# Allegro board pc065c_fibv2_toplevel_26_waive.brd (continued)
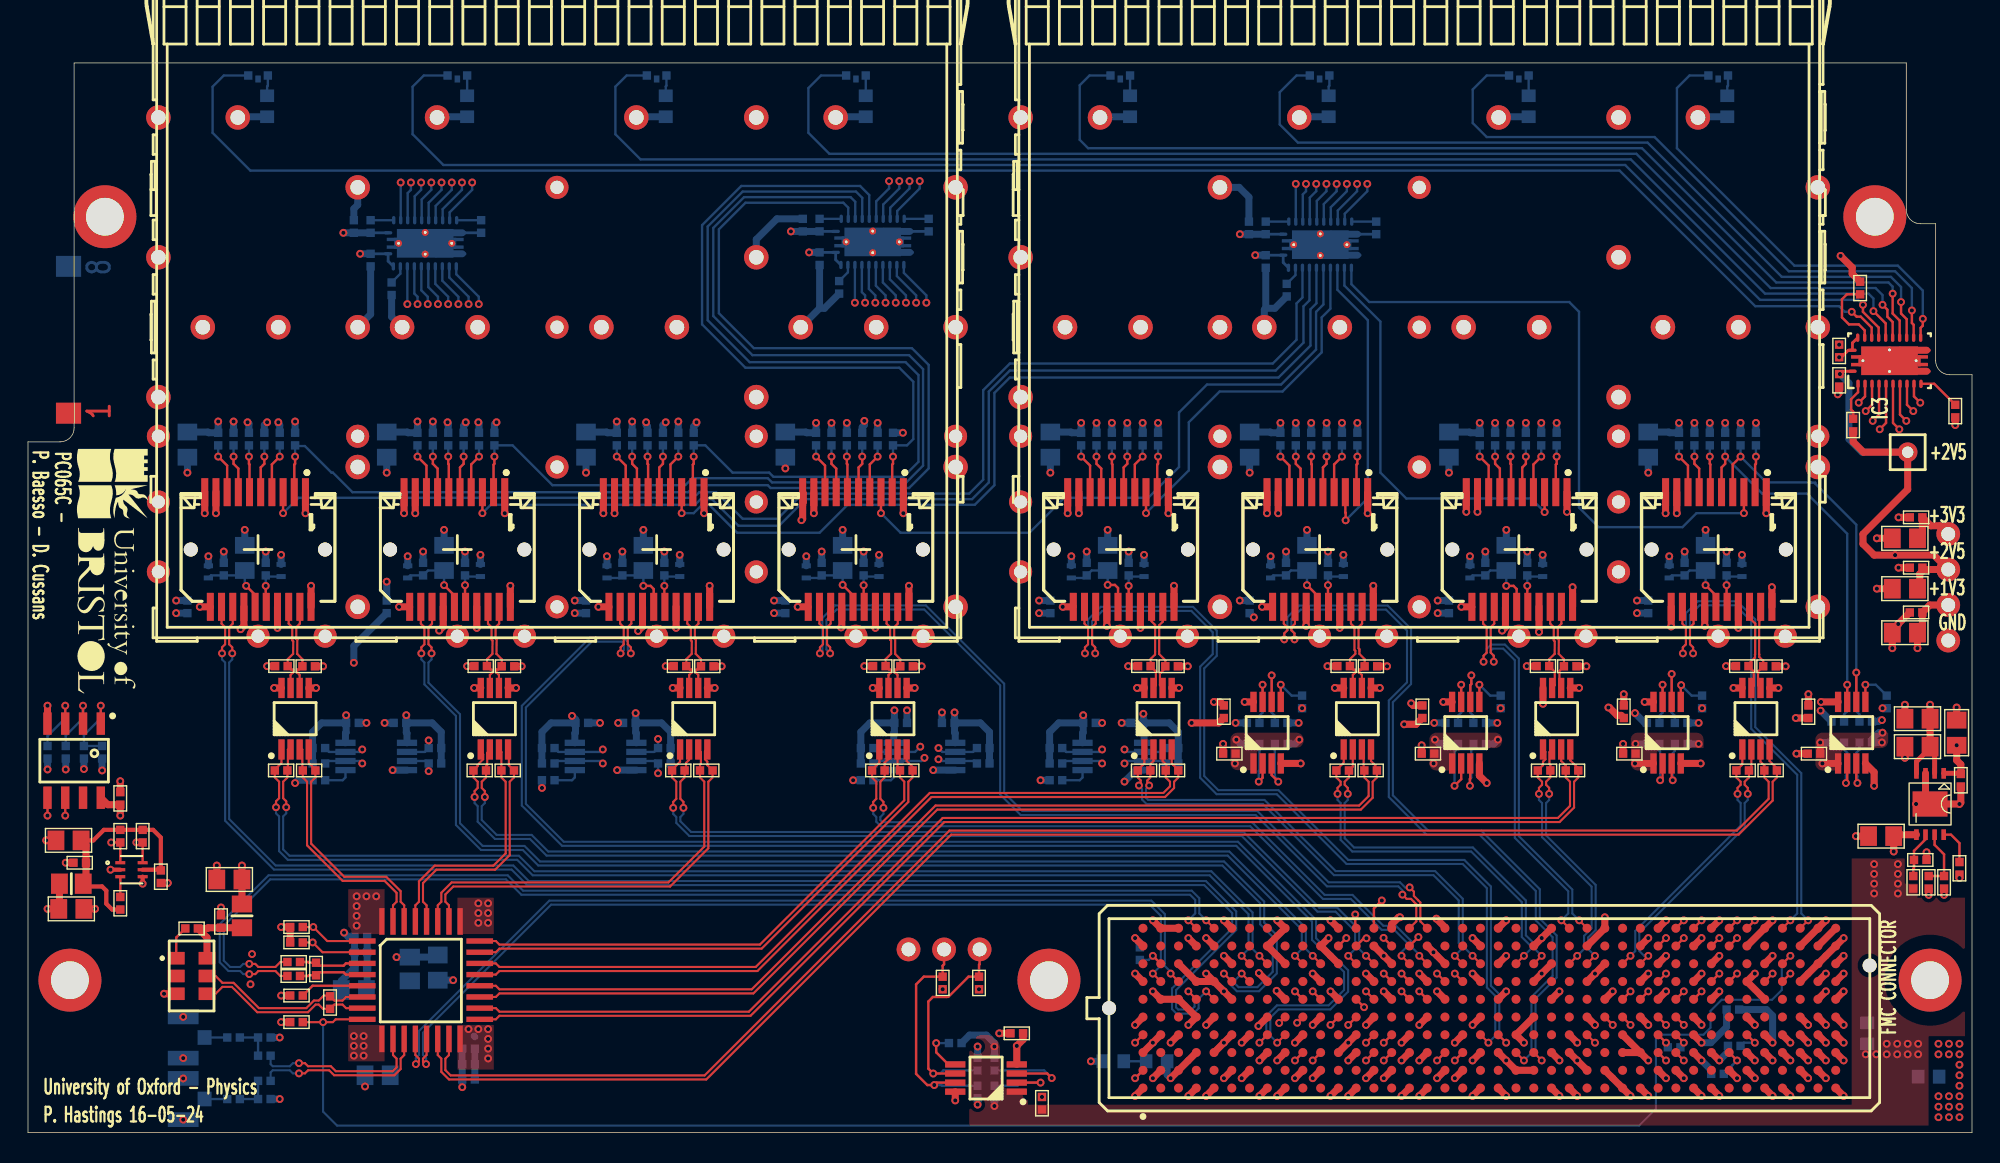
[diagram p0: board, top side]
## Routing (per net, layer and track width the routed paths; a pad name or vN(x,y) marks a point on that pad's centre or on a via; arc(x,y) is an arc through that point) (continued)
P1V3: length 29.8
  TOP w0.35: 136,27.5 136,27.3 136.32,26.98 U11.2 ; 136,27.5 C99.2 ; 136,27.5 135.03,26.52 U11.4
  TOP w0.5: R124.2 v1(82.93,33.35) ; R23.2 v1(21.1,33.35) ; v1(136,30.6) C100.2 C99.2 ; R107.2 v1(107.16,33.36) ; R34.2 v1(31.4,33.36) ; R22.2 v1(17.1,33.36) ; R115.2 v1(92.91,33.36) ; R100.2 v1(125.68,33.35) ; R123.2 v1(78.66,33.36) ; R116.2 v1(97.18,33.35) ; R108.2 v1(111.43,33.35) ; R51.2 v1(63.9,33.35) ; R99.2 v1(121.41,33.36) ; v1(135.1,34.64) C37.2 135.45,36.1 C36.2 135.98,37.73 J40.2 ; R50.2 v1(59.8,33.36) ; R43.2 v1(49.6,33.35) ; R35.2 v1(35.3,33.35) ; R42.2 v1(45.6,33.36)
  L5_PWR w0.5: 136.52,38.51 J40.2 ; J40.2 136.52,36.95 ; J40.2 136.27,37.73 ; J40.2 137.3,38.76 ; J40.2 138.08,36.95 ; J40.2 137.3,36.7 ; J40.2 138.08,38.51
  vias: v1(15.91,10.61) v1(16.02,12.77)
P2V5: length 99.8
  TOP w0.2: v1(129.55,54.25) 129.75,54.45 IC3.1
  TOP w0.5: IC20.1 v1(128.3,26.4) ; C38.2 135.58,40.27 ; 135.58,40.27 135.26,39.95 135.26,39.06 C39.2 ; 135.58,40.27 J40.3 136.27,41.3 v1(133.5,41.3) 132,41.3 131.2,42.1 131.2,42.8 134.4,46 TP10.1 131.24,48.66 130.5,49.4 R66.1 ; C95.2 128.15,27.89 v1(128.15,27.9) ; 116.22,26.4 v1(114.9,26.4)
  L5_PWR w0.5: TP10.1 135.07,49.33 ; TP10.1 135.07,47.99 ; TP10.1 133.52,48.66 ; TP10.1 133.73,49.33 ; TP10.1 134.4,47.78 ; TP10.1 133.73,47.99 ; TP10.1 134.4,49.54
  BOTTOM w0.2: C25.1 IC5.24 57.75,62.42 IC5.23 ; IC4.23 25.75,62.33 IC4.24 C23.1 ; R73.1 IC6.1
  BOTTOM w0.5: C3.2 29.15,12.55 L2.1 v1(26.35,12.55) ; R151.2 R152.2 82.25,28.65 81.6,29.3 C87.2 ; v1(132.56,27.9) R171.2 131.85,28.1 131.9,28.15 131.9,28.17 132.28,28.56 132.31,28.56 132.35,28.6 v1(132.6,28.6) ; C85.2 68.1,29.3 68.75,28.65 R147.2 R146.2 ; C85.2 v1(66.25,30.05) ; C85.2 66.25,28.61 66.3,28.56 IC15.1 ; C83.2 43.45,28.61 43.5,28.56 IC14.1 ; C83.2 v1(43.45,30) ; C83.2 45.3,29.3 45.95,28.65 R142.2 R141.2 ; R166.2 v1(119.45,27.8) ; C25.1 v1(55.85,62.95) ; C87.2 79.75,28.61 79.8,28.56 IC16.1 ; C87.2 v1(79.75,29.95) ; TP10.1 131.14,48.66 130.2,49.6 130.2,53.6 v1(129.55,54.25) ; C81.2 v1(27.05,29.85) ; C81.2 27.05,28.61 27.1,28.56 IC12.1 ; C81.2 28.9,29.3 29.55,28.65 R137.2 R136.2 ; R162.2 100.9,27.8 100.6,28.1 v1(100.6,28.1) ; R133.1 67.32,6.97 68.53,6.97 69.1,6.4 v1(69.1,6.16) R131.2 ; R148.1 v1(59,25.2) ; R143.1 v1(36.75,24.65) ; R156.2 90.6,27.8 v1(90.9,28.1) ; R172.2 v1(128.15,27.9) ; v1(86.65,64.25) C26.2 R73.1 ; C23.1 v1(23.75,62.85) ; v1(105.1,28.1) 104.8,27.8 R161.2 ; R157.2 86.7,27.8 86.4,28.1 v1(86.4,28.1) ; R173.1 v1(132.6,30.35) ; R167.2 v1(114.94,27.8) ; R138.1 19.3,25.2 v1(19.1,25) ; R153.1 v1(72.4,25.2) ; R132.2 v1(69.1,1.9)
  vias: v1(86.3,26.4) v1(91.1,30.35) v1(100.5,26.4) v1(105.3,30.35) v1(119.7,30.35) v1(131.4,5.6) v1(132,19.2) v1(132,18.5) v1(132,17.8) v1(132,17.1) v1(132.15,5.6) v1(132.9,6.35) v1(132.9,5.6) v1(133.7,19.2) v1(133.7,18.5) v1(133.7,17.8) v1(133.7,17.1) v1(133.65,6.35) v1(133.65,5.6) v1(134.4,6.35) v1(134.4,5.6) v1(135.15,6.35) v1(135.15,5.6)
P2V5_FILT: length 6.1
  BOTTOM w0.5: C12.2 24.25,10.25 C11.2 C9.2 C7.2 ; C15.2 C14.2 C13.2 ; 31.95,6.85 31.9,6.9
  vias: v1(23.5,16.9) v1(23.5,16.2) v1(23.5,15.5) v1(23.5,14.8) v1(24.2,16.9) v1(24.9,16.9) v1(31.5,7.4) v1(32.2,7.4) v1(32.9,7.4) v1(32.9,6.7) v1(32.9,6) v1(32.9,5.3)
P3V3: length 165.7
  TOP w0.2: v1(129.5,55.45) 129.65,55.45 130.15,55.95 IC3.24 130.45,56.48 IC3.23
  TOP w0.35: C119.1 138.16,25.7 U11.1
  TOP w0.5: U10.8 v1(79.3,31.8) ; v1(6.6,22.67) C112.1 5.71,23.45 IC1.8 ; U5.8 v1(46.1,31.8) ; L3.1 C6.2 v1(15.3,19.1) ; U11.5 133.5,21.3 C120.2 v1(133.4,20.1) ; C90.2 85.15,29.3 v1(83.2,29.3) ; IC17.8 v1(86.99,30.8) ; C119.1 138.2,26.33 137.9,26.63 v1(137.9,27.7) ; U4.8 v1(31.9,31.8) ; J40.4 136.71,43.4 136.05,43.4 C1.2 135.45,42.85 C2.2 ; 116.22,30.8 v1(115.59,30.8) ; v1(113,30.4) 113.07,30.4 113.63,29.84 113.91,29.84 C94.2 ; U9.8 v1(93.44,31.8) ; C92.2 99.25,29.2 v1(98.4,29.2) ; U3.8 v1(17.6,31.8) ; C96.2 v1(126.4,29.65) ; IC18.8 v1(101.19,30.8) ; C80.2 v1(69.44,7.1) ; 66.3,2.92 v1(66.3,2.3) ; v1(1.4,16) C4.2 2.25,16.05 L1.1 ; U7.8 v1(121.94,31.8) ; IC20.8 v1(128.2,30.8) ; R182.1 v1(135.9,17) ; U6.8 v1(60.4,31.8) ; U8.8 v1(108.33,30.67)
  L4_PWR w0.5: J40.4 138.08,43.59 ; J40.4 137.3,41.78 ; J40.4 138.08,42.03 ; J40.4 136.52,43.59 ; J40.4 137.3,43.84 ; J40.4 136.52,42.03 ; J40.4 136.27,42.81
  BOTTOM w0.2: IC5.1 R70.1 ; C27.1 IC6.24 89.75,62.23 IC6.23 ; IC4.1 R31.1
  BOTTOM w0.5: L5.2 v1(12.9,41.22) ; R117.1 v1(95.05,50.76) ; L16.1 v1(94.05,41.32) ; IC14.8 39.1,28.56 39.15,28.61 C84.2 ; C82.2 22.75,28.61 22.7,28.56 IC12.8 ; C82.2 v1(22.75,29.85) ; C82.2 21,29.3 20.35,28.65 R140.2 R139.2 ; C88.2 73.7,29.3 73.05,28.65 R155.2 R154.2 ; C88.2 v1(75.45,29.85) ; C88.2 75.45,28.61 75.4,28.56 IC16.8 ; R103.2 v1(120.25,50.76) ; R128.2 v1(78.6,50.76) ; C84.2 39.15,29.55 v1(38.9,29.8) ; C84.2 37.4,29.3 36.75,28.65 R145.2 R144.2 ; R159.2 v1(90.86,29.3) ; R160.2 v1(86.34,29.3) ; C75.2 74.57,50.1 74.62,50.05 R126.1 v1(75.3,50.76) ; R38.2 30.05,50.65 30,50.7 v1(30,50.8) ; v1(56.35,50.76) R53.1 55.67,50.05 55.62,50.1 C51.2 ; R170.2 115.6,29.3 v1(114.9,30) ; R28.2 18,50.6 17.9,50.7 v1(17.9,50.8) ; v1(22.55,64.35) C22.2 R31.1 ; R49.2 v1(43.2,50.85) ; v1(118.05,50.76) R102.1 117.37,50.05 117.32,50.1 C60.2 ; R164.2 v1(105.06,29.3) ; IC15.8 61.9,28.56 61.95,28.61 C86.2 ; R135.2 v1(67.9,2) ; L14.1 v1(108.3,41.32) ; C40.2 23.3,34.8 v1(23.3,33.6) ; v1(132.56,29.5) 132.4,29.5 132.3,29.4 R174.2 ; R56.2 v1(60.75,50.76) ; L4.1 v1(18.1,41.32) ; R201.2 v1(5.3,25.9) ; C74.2 v1(72.3,37.15) ; R40.2 32.25,50.75 32.2,50.8 v1(32.2,50.8) ; C46.2 41.37,50.1 41.42,50.05 R45.1 v1(42.1,50.85) ; R125.1 v1(80.8,50.76) ; L7.2 v1(27.15,41.22) ; v1(54.55,64.45) C24.2 R70.1 ; R129.2 v1(79.7,50.76) ; C65.2 103.07,50.1 103.12,50.05 R110.1 v1(103.8,50.76) ; R119.2 v1(91.75,50.76) ; R121.2 v1(93.95,50.76) ; v1(31.3,50.8) 31.3,50.7 31.15,50.55 R39.2 ; L18.1 v1(79.8,41.32) ; R134.2 v1(67.9,6.16) ; C69.2 v1(87.65,36.85) ; v1(17.1,50.8) 17.1,50.8 16.9,50.6 R27.2 ; C31.2 v1(10.6,37.15) ; R175.2 v1(128.18,30.18) ; L8.1 v1(46.6,41.32) ; R29.2 v1(14.7,50.85) ; R120.2 v1(92.85,50.76) ; L17.2 v1(88.85,41.22) ; R55.2 59.65,50.45 59.8,50.6 v1(59.8,50.9) ; R127.2 v1(77.5,50.76) ; R48.2 v1(46.5,50.85) ; v1(33.5,50.8) 33.5,50.8 33.35,50.65 R36.1 ; R109.1 v1(109.3,50.76) ; C45.2 v1(39.09,37.15) ; L12.1 v1(122.55,41.32) ; L15.2 v1(103.1,41.22) ; R165.2 v1(100.55,29.3) ; L19.2 v1(74.6,41.22) ; v1(15.7,50.8) 15.7,50.8 15.8,50.7 R26.2 ; C27.1 v1(87.75,62.75) ; C86.2 60.2,29.3 59.55,28.65 R150.2 R149.2 ; C86.2 v1(61.95,30.2) ; R111.2 v1(106,50.76) ; R57.2 v1(57.45,50.76) ; C59.2 v1(115.05,37.15) ; R130.2 v1(76.4,50.76) ; v1(13.6,50.85) R25.1 12.92,50.05 12.87,50.1 C32.2 ; R113.2 v1(108.2,50.76) ; R105.2 v1(122.45,50.76) ; R106.2 v1(119.15,50.76) ; L10.1 v1(60.85,41.32) ; R54.2 v1(58.55,50.76) ; v1(44.2,50.8) 44.2,50.6 44.3,50.5 R46.2 ; v1(89.55,50.76) R118.1 88.87,50.05 88.82,50.1 C70.2 ; R122.2 v1(90.65,50.76) ; C50.2 v1(53.34,37.15) ; R13.1 v1(76,5.1) ; L9.2 v1(41.4,41.22) ; L11.2 v1(55.65,41.22) ; L13.2 v1(117.35,41.22) ; R47.2 45.4,50.6 45.6,50.8 v1(45.6,50.8) ; R104.2 v1(121.35,50.76) ; R24.1 v1(19.1,50.85) ; R44.1 47.6,50.5 47.8,50.7 v1(47.8,50.8) ; R169.2 v1(119.45,29.3) ; C64.2 v1(100.8,37.15) ; R41.2 v1(28.95,50.85) ; R52.1 v1(62.56,50.05) ; v1(27.85,50.85) R37.1 27.17,50.05 27.12,50.1 C41.2 ; R101.1 v1(123.55,50.76) ; L6.1 v1(32.35,41.32) ; R112.2 v1(107.1,50.76) ; R114.2 v1(104.9,50.76)
  vias: v1(65.4,10.25) v1(68,10.25) v1(136.6,6.35) v1(136.6,5.6) v1(136.6,2.6) v1(136.6,1.85) v1(136.6,1.1) v1(137.35,6.35) v1(137.35,5.6) v1(137.35,2.6) v1(137.35,1.85) v1(137.35,1.1) v1(138.1,6.35) v1(138.1,5.6) v1(138.1,4.85) v1(138.1,4.1) v1(138.1,3.35) v1(138.1,2.6) v1(138.1,1.85) v1(138.1,1.1)
P3V3A: length 17.2
  TOP w0.3: C8.2 4.68,20.9 5.43,21.65 R8.2 R10.2 8.95,21.65 9.5,21.1 C29.1 9.45,18.8 IC2.5 ; R11.2 6.02,15.95 5.6,16.37 5.6,17.3 5.3,17.6 4.15,17.6 L1.2
  TOP w0.5: C8.2 4.15,20.55 C5.2 4.15,18 L1.2
P3V3AUX: length 4.3
  TOP w0.5: 119.09,7 v1(119.66,6.43)
  BOTTOM w0.5: v1(119.66,6.43) 120.33,6.43 121.45,7.55 R21.1
P3V3C: length 5.6
  TOP w0.5: L3.2 C10.2 12.88,14.65 12.83,14.6 R3.1 12.8,13.95 QZ1.6
P12V: length 4.7
  TOP w0.5: J2.C37 v1(126.01,5.16) ; J2.C35 v1(123.47,5.16)
  L3_SIG w0.5: v1(126.01,5.16) 125.28,4.43 124.2,4.43 v1(123.47,5.16)
250MXTAL_N: length 12.6
  TOP w0.15: U1.7 22.75,8.9 22.49,9.15 21.91,9.15 R4.2 21.1,8.85 20.79,9.15 20.57,9.15 20.02,8.61 16.39,8.61 14.58,10.42 13.9,10.42 13.41,9.93 QZ1.4
250MXTAL_P: length 12.7
  TOP w0.15: QZ1.5 13.41,11.2 13.9,10.71 14.7,10.71 16.51,8.9 19.9,8.9 20.45,9.45 20.79,9.45 21.15,9.8 21.55,9.8 R4.1 21.91,9.45 22.49,9.45 22.75,9.7 U1.6
CDCLVD110_CK: length 132.2
  TOP w0.15: R6.2 v1(20.4,14.7) 21.4,13.7 U1.1 ; 116.56,10.8 v1(117.12,11.37)
  L6_SIG w0.15: v1(117.12,11.37) 116.55,10.8 112.3,10.8 110.1,8.6 110.1,2.25 109.35,1.5 83.2,1.5 82.4,2.3 82.4,7 81.1,8.3 79,8.3 77.8,7.1 77.8,3.6 75.2,1 24.1,1 21.7,3.4 21.7,13.4 v1(20.4,14.7)
CDCLVD110_EN: length 126.6
  TOP w0.15: U1.8 22,8.1 21.8,7.9 v1(21.1,7.9) R7.2 ; J2.H37 v1(126.01,12.64)
  BOTTOM w0.15: v1(126.01,12.64) 125.4,12.03 125.4,10.2 124.7,9.5 121.1,9.5 120.3,8.7 120.3,7.5 119.8,7 116.7,7 116.4,6.7 116.4,1.7 115.2,0.5 22.1,0.5 21.1,1.5 v1(21.1,7.9)
CDCLVD110_SI: length 122
  TOP w0.15: J2.D26 v1(112.04,6.43) ; U1.2 21.06,12.9 v1(20.36,13.6) R5.2
  L6_SIG w0.15: v1(20.36,13.6) 20.36,3.94 23.7,0.6 75.7,0.6 78.4,3.3 78.4,6.6 78.9,7.1 80.7,7.1 81.1,6.7 81.1,2.6 82.6,1.1 110.51,1.1 111.4,1.99 111.4,5.79 v1(112.04,6.43)
CLK_DIR: length 3.9
  TOP w0.17: J2.B1 v1(79.16,3.89)
  BOTTOM w0.17: R13.2 R14.2 79.95,4.68 v1(79.16,3.89)
CLK_IN_N<1>: length 82.9
  TOP w0.15: C18.1 18.05,11.2 17.69,11.55 16.47,11.55 16.25,11.34 v1(15.82,11.34) ; J2.K5 v1(84.24,15.18)
  BOTTOM w0.15: v1(15.82,11.34) 15.39,11.34 15.17,11.55 14.33,11.55 13.71,12.18 13.71,14.91 17.2,18.4 34.3,18.4 35.4,17.3 83.21,17.3 83.75,16.76 83.75,15.67 v1(84.24,15.18)
CLK_IN_P<1>: length 81.5
  TOP w0.15: J2.K4 v1(82.97,15.18) ; v1(15.82,12.06) 16.25,12.06 16.47,11.85 17.69,11.85 18.05,12.2 C16.2
  BOTTOM w0.15: v1(82.97,15.18) 83.46,15.67 83.46,16.64 83.09,17.01 35.28,17.01 34.18,18.11 17.32,18.11 14,14.79 14,12.3 14.46,11.85 15.17,11.85 15.39,12.06 v1(15.82,12.06)
CLK_MAIN_N<0>: length 17.1
  TOP w0.15: U3.4 20.07,26.43 20.55,25.96 R186.2 20.55,25.4 20.25,25.09 20.25,20.67 22.62,18.29 25.62,18.29 26.64,17.27 26.64,16.51 26.9,16.25 U1.30
CLK_MAIN_N<1>: length 17.7
  TOP w0.15: U4.4 34.38,27.34 34.38,26.27 R188.2 34.75,25.4 34.45,25.09 34.45,19.84 33.4,18.8 29.2,18.8 28.25,17.84 28.25,16.51 28.5,16.25 U1.28
CLK_MAIN_N<2>: length 29.7
  TOP w0.15: U5.4 48.52,27.4 48.41,27.28 48.41,26.7 48.58,26.53 48.58,26.27 R190.2 48.95,25.4 48.65,25.09 48.65,20.33 45.91,17.6 30.41,17.6 29.84,17.03 29.84,16.51 30.1,16.25 U1.26
CLK_MAIN_N<3>: length 39.2
  TOP w0.15: U6.4 62.83,26.57 63.25,26.15 R192.2 63.25,25.4 62.95,25.09 62.95,23.64 52.45,13.15 33.71,13.15 33.45,12.9 U1.23
CLK_MAIN_N<4>: length 58.3
  TOP w0.15: U1.21 33.45,11.3 33.71,11.55 52.16,11.55 64.6,24 81.3,24 81.94,24.64 81.94,25.09 82.25,25.4 R200.2 82.25,25.93 81.89,26.3 81.89,26.3 81.78,26.41 81.78,27.4
CLK_MAIN_N<5>: length 73.5
  TOP w0.15: U1.19 33.45,9.7 33.71,9.96 51.87,9.96 65.01,23.1 95.3,23.1 96.14,23.95 96.14,25.09 96.45,25.4 R198.2 96.33,26.02 96.33,26.27 96.03,26.57 U9.4
CLK_MAIN_N<6>: length 89
  TOP w0.15: U1.17 33.45,8.1 33.71,8.36 51.67,8.36 65.52,22.21 109.51,22.21 110.55,23.25 110.55,25.09 110.85,25.4 R196.2 110.85,26.05 110.28,26.62 110.28,27.4
CLK_MAIN_N<7>: length 110.1
  TOP w0.15: U1.14 29.3,5.54 29.55,5.29 29.55,4.34 30.1,3.8 48.5,3.8 66.01,21.31 122.31,21.31 124.75,23.75 124.75,25.09 125.05,25.4 R194.2 125.05,26.05 124.53,26.57 U7.4
CLK_MAIN_N<8>: length 67.3
  TOP w0.15: v1(27.73,4.9) 27.73,4.91 27.75,4.93 27.8,4.93 27.95,5.08 27.95,5.29 27.7,5.54 U1.12 ; 82.27,10.8 v1(81.7,11.37)
  BOTTOM w0.15: v1(81.7,11.37) 81.7,11.5 81.29,11.91 81.29,15.62 80.32,16.59 37.28,16.59 27.95,7.27 27.95,5.55 27.73,5.33 v1(27.73,4.9)
CLK_MAIN_N<9>: length 12.3
  TOP w0.15: v1(19.38,4.96) 19.8,4.96 20.02,4.75 21.66,4.75 22.01,4.39 26.08,4.39 26.36,4.67 26.36,5.29 26.1,5.54 U1.10
  BOTTOM w0.15: v1(19.38,4.96) 18.94,4.96 18.72,4.75 17.5,4.75 17.35,4.89 C121.1
CLK_MAIN_P<0>: length 17.1
  TOP w0.15: U3.3 19.61,27.4 19.61,25.93 R186.1 19.65,25.4 19.95,25.09 19.95,20.55 22.5,18 25.5,18 26.36,17.14 26.36,16.51 26.1,16.25 U1.31
CLK_MAIN_P<1>: length 17.6
  TOP w0.15: U1.29 27.7,16.25 27.95,16.51 27.95,17.97 29.08,19.09 33.28,19.09 34.16,19.97 34.16,25.09 33.85,25.4 R188.1 33.85,27.23 U4.3
CLK_MAIN_P<2>: length 29.5
  TOP w0.15: 47.92,27.4 48.12,27.21 48.12,26.37 48.05,26.3 R190.1 48.05,25.4 48.35,25.09 48.35,20.45 45.79,17.89 30.29,17.89 29.55,17.16 29.55,16.51 29.3,16.25 U1.27
CLK_MAIN_P<3>: length 38.6
  TOP w0.15: U6.3 62.17,26.07 R192.1 62.35,25.4 62.66,25.09 62.66,23.77 52.33,13.45 33.71,13.45 33.45,13.7 U1.24
CLK_MAIN_P<4>: length 57.7
  TOP w0.15: U10.3 81.12,26.57 81.39,26.31 81.39,25.94 R200.1 81.35,25.4 81.66,25.09 81.66,24.77 81.18,24.29 64.48,24.29 52.03,11.85 33.71,11.85 33.45,12.1 U1.22
CLK_MAIN_P<5>: length 73
  TOP w0.15: U1.20 33.45,10.5 33.71,10.24 51.75,10.24 64.89,23.39 95.18,23.39 95.86,24.07 95.86,25.09 95.55,25.4 R198.1 95.55,26 95.5,26.05 95.5,27.4 U9.3
CLK_MAIN_P<6>: length 88.5
  TOP w0.15: U8.3 109.62,26.57 109.95,26.25 R196.1 109.95,25.4 110.25,25.09 110.25,23.37 109.39,22.5 65.4,22.5 51.55,8.64 33.71,8.64 33.45,8.9 U1.18
CLK_MAIN_P<7>: length 109.1
  TOP w0.15: U7.3 123.88,26.52 124.15,26.25 R194.1 124.15,25.4 124.45,25.09 124.45,23.87 122.19,21.6 65.89,21.6 48.38,4.09 30.22,4.09 29.84,4.47 29.84,5.29 30.1,5.54 U1.15
CLK_MAIN_P<8>: length 66.4
  TOP w0.15: 81,10.8 v1(80.43,11.37) ; v1(28.46,4.9) 28.39,4.9 28.25,5.05 28.25,5.29 28.5,5.54 U1.13
  BOTTOM w0.15: v1(28.46,4.9) 28.46,5.33 28.25,5.55 28.25,7.14 37.4,16.3 80.2,16.3 81,15.5 81,11.94 v1(80.43,11.37)
CLK_MAIN_P<9>: length 12.7
  TOP w0.15: U1.11 26.9,5.54 26.64,5.29 26.64,4.54 26.2,4.1 21.89,4.1 21.53,4.46 20.02,4.46 19.8,4.24 v1(19.38,4.24)
  BOTTOM w0.15: v1(19.38,4.24) 18.94,4.24 18.72,4.46 17.5,4.46 17.35,4.3 C30.1
CLK_VOLTREFOUT: length 4.5
  TOP w0.17: U1.5 20.35,10.5 R9.1
FMC_3P3V: length 7.7
  TOP w0.5: 126.72,7 v1(127.28,6.43) ; 129.25,7 v1(129.82,6.43) ; J2.C39 v1(128.55,5.16) ; 124.17,7 v1(124.74,6.43)
  BOTTOM w0.5: R21.2 124.3,8.8 124.74,8.36 v1(124.74,6.43)
I2C_SCL: length 90.8
  TOP w0.17: 65.4,11.15 64.05,11.15 63.5,10.6 63.5,4.2 64.3,3.4 v1(64.8,3.4) 64.97,3.58 IC11.7 ; 65.4,11.15 R94.1 ; 65.4,11.15 65.4,11.94 65.5,12.04 J1.2 ; IC2.1 R8.1 v1(5.95,20.75) ; IC1.6 v1(2.67,22.67)
  L6_SIG w0.17: v1(2.67,22.67) 2.67,21.84 3.75,20.75 v1(5.95,20.75) 6.8,19.9 23.4,19.9 39.9,3.4 v1(64.8,3.4)
  BOTTOM w0.17: v1(64.8,3.4) 65.3,3.4 65.35,3.35 R135.1
I2C_SCL_CVCC: length 54.7
  TOP w0.17: 70.7,3.58 v1(72.4,3.58) ; 116.56,5.72 v1(117.12,5.16)
  L3_SIG w0.17: v1(117.12,5.16) 116.4,4.44 116.4,2.1 115.4,1.1 74.88,1.1 v1(72.4,3.58)
  BOTTOM w0.17: v1(72.4,3.58) 70.97,3.58 70.75,3.35 R132.1
I2C_SDA: length 92.6
  TOP w0.17: 1.4,23.95 v1(1.4,22.67) ; J1.3 68.04,12.04 68,12 R93.1 67.25,11.15 65.8,9.71 65.66,9.71 65.66,9.7 64.7,9.7 64.38,9.38 64.38,4.57 v1(64.72,4.22) 66.3,4.22 ; IC2.6 R10.1 v1(7.75,20.75)
  L6_SIG w0.17: v1(64.72,4.22) 39.98,4.22 23.45,20.75 v1(7.75,20.75) 7.75,23.05 7.33,23.48 2.2,23.48 v1(1.4,22.67)
  BOTTOM w0.17: R134.1 65.45,4.45 65.22,4.22 v1(64.72,4.22)
I2C_SDA_CVCC: length 63.2
  TOP w0.17: v1(73.2,3.9) 72.88,4.22 IC11.3 ; J2.C31 v1(118.39,5.16)
  L3_SIG w0.17: v1(118.39,5.16) 117.8,4.57 117.8,1.3 117.2,0.7 72,0.7 71.4,1.3 71.4,3.5 72.15,4.25 72.85,4.25 v1(73.2,3.9)
  BOTTOM w0.17: v1(73.2,3.9) 72.65,4.45 R131.1
LED_0: length 131.3
  TOP w0.17: IC3.21 131.82,57.57 131.05,58.35 130.75,58.35 v1(130.4,58.7)
  BOTTOM w0.17: DS1.2 14,75.6 13.2,74.8 13.2,71.5 15.9,68.8 113.8,68.8 123.5,59.1 129.5,59.1 129.9,58.7 v1(130.4,58.7)
LED_1: length 117.8
  TOP w0.17: v1(131.2,59.2) 131.2,58.7 132.32,57.58 IC3.20
  BOTTOM w0.17: v1(131.2,59.2) 130.85,59.55 123.85,59.55 114.2,69.2 29.7,69.2 27.5,71.4 27.5,74.8 28.3,75.6 DS2.2
LED_2: length 104
  TOP w0.17: IC3.19 132.82,57.88 v1(131.95,58.75)
  BOTTOM w0.17: v1(131.95,58.75) 131.95,59.65 131.6,60 124.2,60 114.6,69.6 43.8,69.6 42,71.4 42,74.8 42.8,75.6 DS3.2
LED_3: length 91.2
  TOP w0.17: IC3.18 133.32,57.97 132.95,58.35 132.95,58.85 v1(132.6,59.2)
  BOTTOM w0.17: v1(132.6,59.2) 132.6,59.9 132.1,60.4 124.6,60.4 115,70 57.3,70 55.8,71.5 55.8,74.7 56.7,75.6 DS4.2
LED_4: length 72.7
  TOP w0.17: v1(133.32,60) 133.32,58.58 133.82,58.08 IC3.17
  BOTTOM w0.17: DS5.2 75.9,75.6 75.2,74.9 75.2,71 75.8,70.4 115.4,70.4 125,60.8 133.03,60.8 133.32,60.5 v1(133.32,60)
LED_5: length 58
  TOP w0.17: v1(133.93,59.4) 133.93,58.58 134.32,58.18 IC3.16
  BOTTOM w0.17: DS6.2 90.7,75.6 89.5,74.4 89.5,72.1 90.8,70.8 115.8,70.8 125.4,61.2 133.2,61.2 133.93,60.48 v1(133.93,59.4)
LED_6: length 45.3
  TOP w0.17: IC3.15 134.82,57.77 134.7,57.9 v1(134.7,58.8)
  BOTTOM w0.17: v1(134.7,58.8) 134.7,60.4 133.5,61.6 125.9,61.6 116.3,71.2 104.3,71.2 103.3,72.2 103.3,74.6 104.3,75.6 DS7.2
LED_7: length 32.2
  TOP w0.17: IC3.14 135.32,57.55 135.48,57.71 v1(135.48,58.2)
  BOTTOM w0.17: DS8.2 118.8,75.6 117.9,74.7 117.9,70.4 126.3,62 133.7,62 135.48,60.22 v1(135.48,58.2)
LED_FPGA<0>: length 53
  TOP w0.17: v1(130.9,52.2) 131.35,52.65 IC3.3 ; 114.02,9.54 v1(114.58,10.1)
  L3_SIG w0.17: v1(114.58,10.1) 113.8,10.88 113.8,13.4 119.8,19.4 121.7,19.4 123.7,21.4 123.7,37.1 127.8,41.2 127.8,45.2 130.5,47.9 130.5,51.8 v1(130.9,52.2)
LED_FPGA<1>: length 55.4
  TOP w0.17: v1(131.4,51.6) 131.85,52.05 IC3.4 ; J2.E27 v1(113.31,7.7)
  L3_SIG w0.17: v1(113.31,7.7) 115.2,9.59 115.2,14.1 119.9,18.8 121.8,18.8 124.2,21.2 124.2,36.89 128.3,40.99 128.3,44.99 131.05,47.74 131.05,51.25 v1(131.4,51.6)
LED_FPGA<2>: length 46.6
  TOP w0.17: v1(131.9,50.9) 132.35,51.35 IC3.5 ; 117.83,14.62 v1(118.39,15.18)
  L3_SIG w0.17: v1(131.9,50.9) 131.55,50.55 131.55,47.54 129.1,45.08 129.1,30.27 128.06,29.23 127.03,29.23 124.7,26.9 124.7,21 122,18.3 120.3,18.3 118.39,16.39 v1(118.39,15.18)
LED_FPGA<3>: length 49.4
  TOP w0.17: v1(132.4,50.3) 132.85,50.75 IC3.6 ; 116.56,13.35 v1(117.12,13.91)
  L3_SIG w0.17: v1(117.12,13.91) 117.71,14.5 118.7,14.5 119.1,14.9 119.1,16.3 120.6,17.8 122.5,17.8 125.2,20.5 125.2,26.7 127.2,28.7 128.4,28.7 129.5,29.8 129.5,44.78 132.05,47.33 132.05,49.95 v1(132.4,50.3)
LED_FPGA<4>: length 65.4
  TOP w0.17: IC3.7 133.35,50.75 v1(133.8,50.3) ; 115.28,9.54 v1(115.85,10.1)
  L3_SIG w0.17: v1(133.8,50.3) 133.45,50.65 133.45,51.95 134.3,52.8 135.8,52.8 136.8,51.8 136.8,45 135.6,43.8 135.6,36.9 134.4,35.7 134.4,31.5 135,30.9 135,28.6 132.7,26.3 129.7,26.3 128.2,24.8 128.2,21 122.9,15.7 122.9,13.6 122.6,13.3 119,13.3 117.8,12.1 116.9,12.1 116.5,11.7 116.5,10.75 v1(115.85,10.1)
LED_FPGA<5>: length 77.1
  TOP w0.17: IC3.8 133.85,51.35 v1(134.3,50.9) ; J2.E28 v1(114.58,7.7)
  L3_SIG w0.17: v1(134.3,50.9) 134.6,50.6 134.6,50.2 134.1,49.7 133.5,49.7 133.1,50.1 133.1,52.2 134.3,53.4 137.6,53.4 138.5,52.5 138.5,26.7 137.5,25.7 129.9,25.7 129.08,24.88 129.08,20.78 124.1,15.8 124.1,13.7 122.4,12 118.6,12 117.8,11.2 117.8,9.2 117.2,8.6 115.48,8.6 v1(114.58,7.7)
LED_FPGA<6>: length 47.6
  TOP w0.17: IC3.9 134.35,52.05 v1(134.8,51.6) ; 119.09,14.62 v1(119.66,15.18)
  L3_SIG w0.17: v1(119.66,15.18) 119.66,16.16 120.5,17 122.5,17 126.8,21.3 126.8,25.7 132,30.9 132,37.8 134.6,40.4 134.6,44.3 135.8,45.5 135.8,49.5 135.2,50.1 135.2,51.2 v1(134.8,51.6)
LED_FPGA<7>: length 52.7
  TOP w0.17: J2.J31 v1(118.39,13.91) ; v1(135.3,52.2) 134.85,52.65 IC3.10
  L3_SIG w0.17: v1(118.39,13.91) 118.88,13.91 119.47,14.5 120.23,14.5 120.4,14.67 120.4,15.9 120.9,16.4 122.8,16.4 127.3,20.9 127.3,24.6 129.7,27 132.9,27 133.2,27.3 133.2,31 132.6,31.6 132.6,37.2 135.1,39.7 135.1,44.1 136.3,45.3 136.3,49.7 135.7,50.3 135.7,51.8 v1(135.3,52.2)
MOD_ABS: length 3.4
  TOP w0.17: v1(15.8,48.34) 15.8,47.83 15.84,47.79 J7.6
  BOTTOM w0.17: R26.1 v1(15.8,48.34)
MOD_ABS_1: length 3.4
  TOP w0.17: v1(30.05,48.34) 30.05,47.83 30.09,47.79 J12.6
  BOTTOM w0.17: R38.1 v1(30.05,48.34)
MOD_ABS_2: length 3.4
  TOP w0.17: J16.6 44.34,47.79 44.3,47.83 v1(44.3,48.34)
  BOTTOM w0.17: R46.1 v1(44.3,48.34)
MOD_ABS_3: length 3.4
  TOP w0.17: J20.6 58.59,47.79 58.55,47.83 v1(58.55,48.34)
  BOTTOM w0.17: R54.1 v1(58.55,48.34)
MOD_ABS_4: length 3.4
  TOP w0.17: v1(120.25,48.34) 120.25,47.83 120.29,47.79 J24.6
  BOTTOM w0.17: R103.1 v1(120.25,48.34)
MOD_ABS_5: length 3.4
  TOP w0.17: J28.6 106.04,47.79 106,47.83 v1(106,48.34)
  BOTTOM w0.17: R111.1 v1(106,48.34)
MOD_ABS_6: length 3.4
  TOP w0.17: J32.6 91.79,47.79 91.75,47.83 v1(91.75,48.34)
  BOTTOM w0.17: R119.1 v1(91.75,48.34)
MOD_ABS_7: length 3.4
  TOP w0.17: v1(77.5,48.34) 77.5,47.83 77.54,47.79 J36.6
  BOTTOM w0.17: R127.1 v1(77.5,48.34)
PGOOD_C2M: length 73.9
  TOP w0.17: J2.D1 v1(79.16,6.43) ; R62.1 v1(137,17)
  L6_SIG w0.17: v1(79.16,6.43) 79.8,5.79 79.8,1.9 81,0.7 126.5,0.7 130.65,4.85 130.65,6.55 131.2,7.1 131.2,10.1 137,15.9 v1(137,17)
PRSNT_L: length 1.8
  TOP w0.17: 81,12.07 v1(80.43,12.64)
  BOTTOM w0.17: v1(80.43,12.64) 80.14,12.35 R15.2
RD_FPGA_N<0>: length 103.4
  TOP w0.15: v1(13.88,34.27) 13.88,34.7 14.1,34.92 14.1,36.14 13.84,36.4 J7.12 ; J2.F5 v1(84.24,10.1)
  BOTTOM w0.15: v1(84.24,10.1) 83.7,9.56 83.7,8.89 83.32,8.51 82.12,8.51 81.8,8.83 81.8,10.31 86.1,14.61 86.1,15.7 84.1,17.7 35.69,17.7 34.58,18.81 17.59,18.81 14.1,22.3 14.1,33.62 13.88,33.84 v1(13.88,34.27)
RD_FPGA_N<1>: length 86.9
  TOP w0.15: 87.34,10.8 v1(86.78,11.37) ; J12.12 28.09,36.4 28.34,36.14 28.34,34.92 28.12,34.7 v1(28.12,34.27)
  BOTTOM w0.15: v1(28.12,34.27) 28.12,33.84 28.34,33.62 28.34,32.05 30.6,29.8 30.6,22 32.39,20.21 35.38,20.21 36.49,19.1 85.4,19.1 88.1,16.4 88.1,14.9 89,14 89,11.5 87.9,10.4 86.56,10.4 86.29,10.67 86.29,10.88 v1(86.78,11.37)
RD_FPGA_N<2>: length 95.3
  TOP w0.15: v1(42.38,34.27) 42.38,34.7 42.59,34.92 42.59,36.14 42.34,36.4 J16.12 ; J2.D9 v1(89.32,6.43)
  BOTTOM w0.15: v1(42.38,34.27) 42.6,34.5 42.6,34.96 42.45,35.11 40.31,35.11 35.6,30.4 35.6,23.51 38.31,20.8 86.51,20.8 92.1,15.21 92.1,13.9 94.39,11.61 94.39,10.08 93.12,8.81 89.42,8.81 88.83,8.22 88.83,6.92 v1(89.32,6.43)
RD_FPGA_N<3>: length 64.8
  TOP w0.15: J20.12 56.59,36.4 56.84,36.14 56.84,34.92 56.62,34.7 v1(56.62,34.27) ; J2.K17 99.56,15.11 99.56,16.46 99.39,16.62 99.39,16.62 99.09,16.92 99.09,17.23 v1(98.79,17.54)
  BOTTOM w0.15: v1(56.62,34.27) 56.8,34.45 56.8,36.8 57.7,37.7 64.2,37.7 69.8,32.1 69.8,24.3 71.1,23 87.9,23 93,17.9 98.1,17.9 98.47,17.54 v1(98.79,17.54)
RD_FPGA_N<4>: length 63.3
  TOP w0.15: v1(105.69,6.43) 105.69,6.43 105.13,7 J2.D21 ; J36.12 75.54,36.4 75.8,36.14 75.8,34.92 75.58,34.7 v1(75.58,34.27)
  BOTTOM w0.15: v1(105.69,6.43) 105.2,6.92 105.2,9.9 104.6,10.5 104.6,17.6 102.7,19.5 94.4,19.5 89.41,24.49 85.11,24.49 84.1,25.5 84.1,33.2 85,34.1 85,35.9 83.3,37.6 76.7,37.6 75.8,36.7 75.8,34.93 75.58,34.71 v1(75.58,34.27)
RD_FPGA_N<5>: length 54.2
  TOP w0.15: J32.12 89.79,36.4 90.05,36.14 90.05,35.92 89.83,35.7 v1(89.83,35.27) ; v1(108.23,5.16) 107.67,5.72 107.67,5.72
  BOTTOM w0.15: v1(89.83,35.27) 89.83,35.71 90.05,35.93 90.05,36.86 90.88,37.69 97.22,37.69 98.89,36.02 98.89,32.08 97.59,30.78 97.59,24.12 100.12,21.59 103.91,21.59 108.1,17.4 108.1,15.3 109.3,14.1 109.3,11.09 107.79,9.58 107.79,5.6 v1(108.23,5.16)
RD_FPGA_N<6>: length 29.3
  TOP w0.15: v1(104.08,33.67) 104.08,34.1 104.3,34.32 104.3,36.14 104.04,36.4 J28.12 ; J2.K26 v1(110.91,15.18)
  BOTTOM w0.15: v1(104.08,33.67) 104.08,34.11 104.3,34.33 104.3,34.58 104.61,34.9 105.6,34.9 106.6,33.9 106.6,21.2 110.42,17.38 110.42,15.67 v1(110.91,15.18)
RD_FPGA_N<7>: length 36.2
  TOP w0.15: J24.12 118.29,36.4 118.55,36.14 118.55,34.92 118.33,34.7 v1(118.33,34.27) ; 126.72,14.62 v1(127.28,15.18)
  BOTTOM w0.15: v1(118.33,34.27) 118.33,34.71 118.55,34.93 118.55,37.15 119.4,38 122.2,38 123.5,36.7 123.5,29 126.79,25.71 126.79,15.67 v1(127.28,15.18)
RD_FPGA_P<0>: length 102.4
  TOP w0.15: J7.13 14.64,36.4 14.38,36.14 14.38,34.92 14.61,34.7 v1(14.61,34.27) ; J2.F4 v1(82.97,10.1)
  BOTTOM w0.15: v1(14.61,34.27) 14.61,33.84 14.38,33.62 14.38,22.43 17.71,19.1 34.7,19.1 35.81,17.99 84.22,17.99 86.39,15.82 86.39,14.49 82.09,10.19 82.09,8.95 82.24,8.8 83.2,8.8 83.41,9.01 83.41,9.66 v1(82.97,10.1)
RD_FPGA_P<1>: length 87.9
  TOP w0.15: 86.08,10.8 v1(85.51,11.37) ; v1(28.86,34.27) 28.86,34.7 28.64,34.92 28.64,36.14 28.89,36.4 J12.13
  BOTTOM w0.15: v1(85.51,11.37) 86,10.88 86,10.55 86.44,10.11 88.02,10.11 89.29,11.38 89.29,14.12 88.39,15.02 88.39,16.52 85.52,19.39 36.61,19.39 35.5,20.5 32.51,20.5 30.89,22.12 30.89,29.92 28.64,32.18 28.64,33.62 28.86,33.84 v1(28.86,34.27)
RD_FPGA_P<2>: length 96.3
  TOP w0.15: J2.D8 v1(88.05,6.43) ; J16.13 43.14,36.4 42.88,36.14 42.88,34.92 43.1,34.7 v1(43.1,34.27)
  BOTTOM w0.15: v1(88.05,6.43) 88.54,6.92 88.54,8.34 89.3,9.1 93,9.1 94.1,10.2 94.1,11.49 91.81,13.78 91.81,15.09 86.39,20.51 38.19,20.51 35.31,23.39 35.31,30.52 40.19,35.4 42.57,35.4 42.89,35.08 42.89,34.49 v1(43.1,34.27)
RD_FPGA_P<3>: length 63.9
  TOP w0.15: J20.13 57.39,36.4 57.13,36.14 57.13,34.92 57.35,34.7 v1(57.35,34.27) ; 98.78,14.62 99.27,15.11 99.27,16.34 99.1,16.5 99.1,16.5 98.89,16.71 98.58,16.71 v1(98.27,17.02)